# Altium PCB HK0J2071758B03.PcbDoc (part 2 of 5)
Units mm, origin at the board's own origin, x right, y up, seen from the top; angles counter-clockwise.
Board outline 42.1 x 32.68 mm, 2 copper layers (TOP, BOTTOM), stack 0.321 mm thick; 44 components, 54 nets, 194 pads, 149 vias.
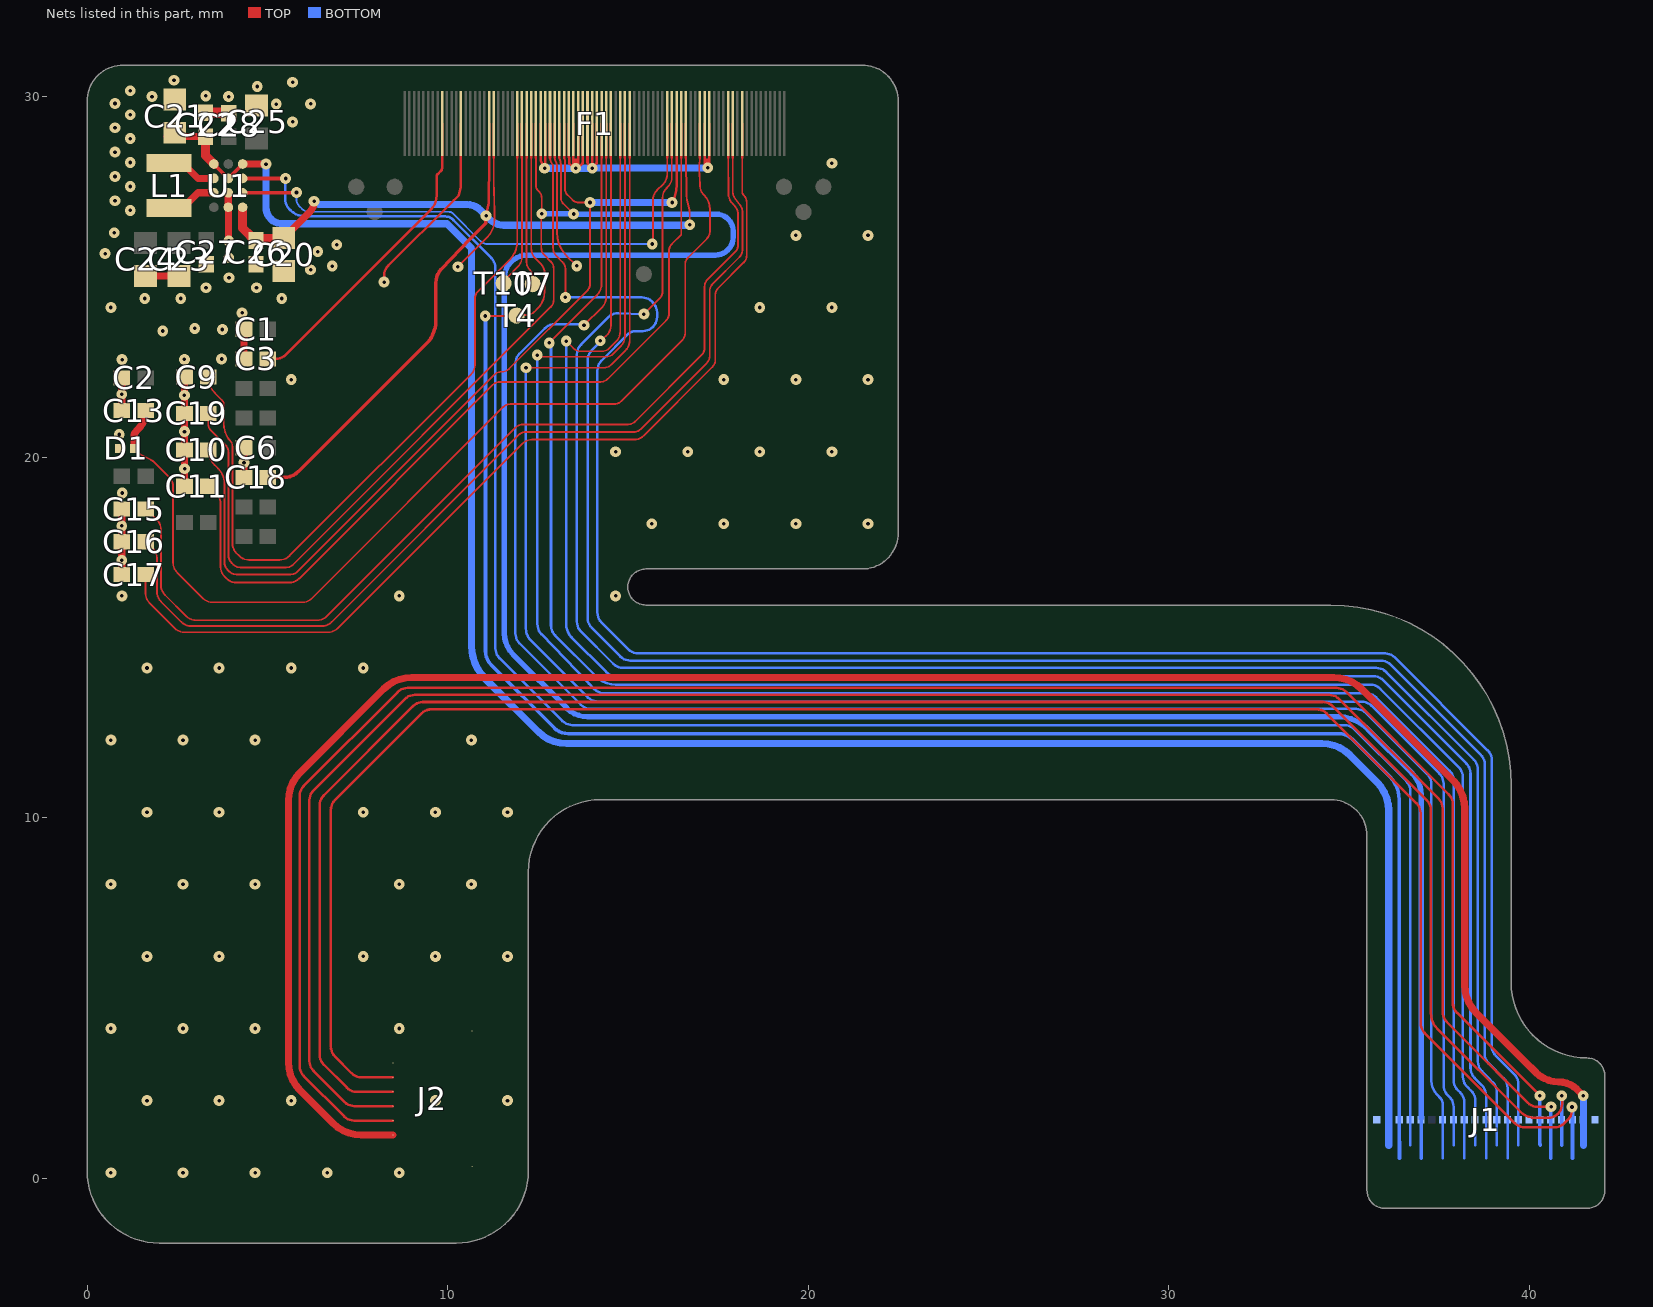
[diagram p2: the nets of this part, all layers, seen from the top]

## Via types
v1: diameter 0.3, hole 0.1, TOP to BOTTOM, tented both sides, 149 vias

## Nets (pads, with @x,y where several pads share a name; then routed paths per layer and width w, separated by ;. In a path a pad name is that pad's centre, name@x,y a point inside that pad or via, vN(x,y) a via of type N, cw(c..) or ccw(c..) an arc to the next point about the centre after c; other vN are vias at no path point) (continued)
GND: C1.2 C2.2 C3.2 C6.2 C9.2 C10.2 C11.2 C13.2 C15.2 C16.2 C17.2 C18.2 C19.2 C20.1 C21.1 C22.2 C23.1 C24.1 C25.1 C26.2 C27.2 C28.2 D1.1 F1.13 F1.20 F1.30 F1.31 F1.33 F1.36 F1.37 F1.38 F1.39 F1.40 F1.41 F1.42 F1.65 F1.66 J1.1 J1.7 J1.21 J2.6 J2.7 J2.8 U1.C2 U1.D2 | length 42.3
  TOP w0.05: v1(10.287,25.284) 11.092,26.089 ccw(c10.586,26.595) 11.301,26.595 11.301,26.669 cw(c11.351,26.668) 11.302,26.673 ccw(c11.068,26.698) 11.301,26.725 11.281,27.752 11.281,28.301 ; 12.971,28.301 ccw(c13.031,28.301) 12.973,28.286 12.983,28.246 ccw(c13.051,28.263) 12.987,28.235 13.02,28.161 cw(c12.955,28.133) 13.024,28.146 13.034,28.095 cw(c12.925,28.075) 13.035,28.076 13.036,28.015 ; 13.036,28.014 cw(c12.691,28.013) 13.036,28.013 13.035,26.223 ccw(c13.929,26.223) 13.297,25.592 v1(13.585,25.304)
  TOP w0.07: C28.2@3.923,29.551 C28.2@3.931,29.543 ; v1(8.24,24.855) 8.24,25.043 cw(c8.625,25.042) 8.354,25.315 10.172,27.121 10.315,27.264 10.371,27.493 F1.13@10.371,29.251 ; 11.281,28.301 F1.20@11.281,29.251 ; F1.30@12.581,29.251 12.581,28.386 12.583,28.301 12.585,28.229 12.679,28.025 v1(12.691,28.013) 12.711,28.115 12.711,28.301 12.711,28.386 F1.31@12.711,29.251 ; 12.971,28.301 F1.33@12.971,29.251 ; F1.36@13.361,29.251 13.361,28.321 13.376,28.307 13.376,28.301 13.376,28.141 13.504,28.013 v1(13.555,28.013) 13.621,28.079 F1.38@13.621,29.251 ; 13.491,28.177 F1.37@13.491,29.251 ; v1@13.627,28.033 13.731,28.137 ccw(c13.681,28.186) 13.751,28.186 F1.39@13.751,29.251 ; F1.40@13.881,29.251 13.881,28.18 ccw(c13.951,28.18) 13.902,28.131 13.995,28.037 cw(c13.946,27.987) 14.009,28.018 v1(14.012,28.013) ; F1.41@14.011,29.251 14.011,28.082 ccw(c14.081,28.083) 14.011,28.081 14.012,28.069 cw(c13.942,28.067) 14.012,28.067 v1(14.012,28.013) cw(c14.08,27.998) 14.03,28.047 14.121,28.138 ccw(c14.071,28.187) 14.141,28.187 F1.42@14.141,29.251 ; 17.131,28.177 F1.65@17.131,29.251 ; 17.261,28.177 F1.66@17.261,29.251
  TOP w0.2: C17.2@0.963,16.742 v1(0.963,17.142) 0.963,17.541 0.963,17.625 C16.2@0.963,17.651 v1(0.963,18.093) C15.2@0.963,18.561 ; C13.2@0.963,21.289 v1(0.963,21.744) C2.2@0.963,22.199 ; C24.1@1.621,25.024 C23.1@2.548,25.024 ; C11.2@2.703,19.192 C10.2@2.703,20.202 v1(2.703,20.707) C19.2@2.703,21.212 C9.2@2.703,22.222 ; U1.C2@3.917,27.331 U1.C2@3.917,27.331 U1.D2@3.917,26.931 3.923,26.926 3.923,26.002 v1(3.928,25.996) ; v1(3.937,24.978) v1@3.941,24.982 ; C18.2@4.352,19.438 v1(4.352,19.848) C6.2@4.352,20.259 ; C3.2@4.352,22.725 C1.2@4.352,23.547 ; v1(13.555,28.013) 13.555,28.177 13.558,28.181 ; v1@17.198,28.045 17.198,28.177
  TOP w0.3: C22.2@3.289,29.551 C28.2@3.923,29.551
  BOTTOM w0.2: v1(12.691,28.013) v1(13.555,28.013) v1(14.012,28.013) v1(17.216,28.027)
  other v1: 0.661,0.152 2.661,0.152 4.661,0.152 6.661,0.152 8.661,0.152 1.661,2.152 3.661,2.152 5.661,2.152 9.661,2.152 11.661,2.152 0.661,4.152 2.661,4.152 4.661,4.152 8.661,4.152 1.661,6.152 3.661,6.152 7.661,6.152 9.661,6.152 11.661,6.152 0.661,8.152 2.661,8.152 4.661,8.152 8.661,8.152 10.661,8.152 1.661,10.152 3.661,10.152 7.661,10.152 9.661,10.152 11.661,10.152 0.661,12.152 2.661,12.152 4.661,12.152 10.661,12.152 1.661,14.152 3.661,14.152 5.661,14.152 7.661,14.152 0.966,16.152 8.661,16.152 14.661,16.152 15.661,18.152 17.661,18.152 19.661,18.152 21.661,18.152 0.974,19.006 2.706,19.68 14.661,20.152 16.661,20.152 18.661,20.152 20.661,20.152 0.895,20.628 2.699,21.717 5.661,22.152 17.661,22.152 19.661,22.152 21.661,22.152 0.972,22.706 2.7,22.713 3.731,22.721 2.1,23.5 3.752,23.541 2.986,23.572 4.3,24 0.661,24.152 18.661,24.152 20.661,24.152 1.6,24.4 2.6,24.4 5.4,24.4 3.3,24.7 4.7,24.7 6.2,25.2 6.8,25.3 3.932,25.532 0.5,25.646 6.4,25.7 6.925,25.891 19.661,26.152 21.661,26.152 0.752,26.224 1.2,26.845 0.775,27.11 1.2,27.508 0.775,27.785 20.661,28.152 1.2,28.172 0.775,28.46 1.2,28.836 0.775,29.135 5.7,29.3 1.2,29.5 0.775,29.81 5.25,29.794 6.2,29.8 1.8,30 3.926,30 3.294,30.021 1.2,30.164 4.721,30.28 5.7,30.4 2.41,30.454
NetL1_1: L1.1 U1.B1 | length 1.4
  TOP w0.2: L1.1@2.274,28.156 2.649,28.156 3.074,27.731 U1.B1@3.517,27.731
NetL1_2: L1.2 U1.C1 | length 1.4
  TOP w0.2: L1.2@2.274,26.906 2.649,26.906 3.075,27.331 U1.C1@3.517,27.331
QSPI_CSX: F1.45 J1.9 | length 51.8
  TOP w0.05: v1(14.237,23.229) 14.394,23.361 ccw(c14.146,23.655) 14.531,23.655 14.531,28.301
  TOP w0.07: 14.531,28.301 F1.45@14.531,29.251
  BOTTOM w0.07: v1(14.237,23.229) 14.237,23.202 14.002,22.966 ccw(c14.274,22.694) 13.889,22.694 13.889,15.534 ccw(c14.274,15.534) 14.002,15.262 14.794,14.47 ccw(c15.066,14.742) 15.066,14.357 35.887,14.357 cw(c35.887,13.972) 36.159,14.245 38.658,11.746 cw(c38.386,11.473) 38.771,11.473 38.771,3.452 ccw(c39.156,3.452) 38.883,3.18 39.294,2.77 cw(c39.022,2.497) 39.407,2.497 39.407,0.557
QSPI_SCL: F1.44 J1.15 | length 53.5
  TOP w0.05: v1(13.783,23.656) 14.289,24.162 ccw(c14.016,24.433) 14.401,24.433 14.401,28.301
  TOP w0.07: 14.401,28.301 14.401,28.386 F1.44@14.401,29.251
  BOTTOM w0.07: v1(13.783,23.656) ccw(c13.631,23.302) 13.631,23.687 12.973,23.687 ccw(c12.973,23.302) 12.701,23.575 11.994,22.867 ccw(c12.266,22.595) 11.881,22.595 11.881,15.108 ccw(c12.266,15.108) 11.993,14.837 13.699,13.131 ccw(c13.972,13.402) 13.972,13.017 35.205,13.017 cw(c35.205,12.632) 35.477,12.904 37.18,11.201 cw(c36.908,10.929) 37.293,10.929 37.293,2.956 37.293,2.695 ccw(c37.828,2.695) 37.45,2.316 37.516,2.25 cw(c37.296,2.031) 37.607,2.031 37.607,0.557
QSPI_SDI0: F1.47 J1.11 | length 53.3
  TOP w0.05: v1(13.291,23.218) 13.493,23.016 ccw(c13.687,23.211) 13.687,22.936 14.288,22.936 ccw(c14.288,23.211) 14.481,23.016 14.679,23.214 ccw(c14.406,23.485) 14.791,23.485 14.791,28.301
  TOP w0.07: 14.791,28.301 F1.47@14.791,29.251
  BOTTOM w0.07: v1(13.291,23.218) 13.291,15.66 13.291,15.363 ccw(c13.807,15.365) 13.441,15 14.403,14.038 ccw(c14.675,14.311) 14.675,13.926 35.678,13.926 cw(c35.678,13.541) 35.95,13.813 38.263,11.5 cw(c37.991,11.228) 38.376,11.228 38.376,3.05 ccw(c38.761,3.05) 38.489,2.778 38.691,2.575 cw(c38.422,2.3) 38.807,2.3 38.807,0.557
QSPI_SDI1: F1.43 J1.12 | length 52
  TOP w0.05: v1(12.822,23.168) 14.141,24.488 ccw(c13.828,24.801) 14.271,24.801 14.271,28.301
  TOP w0.07: 14.271,28.301 F1.43@14.271,29.251
  BOTTOM w0.07: v1(12.822,23.168) 12.869,23.12 12.869,15.328 ccw(c13.254,15.328) 12.981,15.056 14.124,13.913 ccw(c14.661,14.442) 14.662,13.689 35.597,13.689 cw(c35.597,13.304) 35.869,13.576 38.054,11.391 cw(c37.782,11.118) 38.167,11.118 38.167,2.808 ccw(c38.552,2.808) 38.28,2.536 38.392,2.424 cw(c38.122,2.15) 38.507,2.15 38.507,0.907
QSPI_SDI2: F1.48 J1.13 | length 54
  TOP w0.05: v1(12.485,22.832) ccw(c12.641,23.058) 12.641,22.783 14.399,22.783 ccw(c14.399,23.058) 14.593,22.863 14.809,23.079 ; 14.809,23.079 ccw(c14.536,23.351) 14.921,23.351 14.921,28.301
  TOP w0.07: 14.921,28.301 F1.48@14.921,29.251
  BOTTOM w0.07: v1(12.485,22.832) 12.483,22.83 12.483,15.436 ccw(c12.868,15.436) 12.487,15.384 12.498,15.304 ccw(c12.879,15.356) 12.601,15.09 13.919,13.721 ccw(c14.197,13.987) 13.924,13.716 14.081,13.559 ccw(c14.352,13.832) 14.352,13.447 35.487,13.447 cw(c35.487,13.062) 35.759,13.334 37.799,11.294 cw(c37.528,11.021) 37.913,11.021 37.913,2.71 ccw(c38.298,2.71) 38.025,2.437 38.093,2.37 cw(c37.822,2.097) 38.207,2.097 38.207,0.557
QSPI_SDI3: F1.49 J1.14 | length 54
  TOP w0.05: v1(12.174,22.48) 14.344,22.48 ccw(c14.344,22.755) 14.539,22.561 14.932,22.954 ccw(c14.642,23.243) 15.051,23.243 15.051,28.301
  TOP w0.07: 15.051,28.301 15.051,28.618 F1.49@15.051,29.251
  BOTTOM w0.07: v1(12.174,22.48) v1(12.174,22.48) 12.173,15.239 ccw(c12.558,15.239) 12.202,15.092 12.22,15.049 ccw(c12.575,15.197) 12.302,14.925 13.896,13.332 ccw(c14.168,13.604) 14.168,13.219 35.354,13.219 cw(c35.354,12.834) 35.627,13.107 37.515,11.218 cw(c37.243,10.946) 37.628,10.946 37.628,2.576 ccw(c38.013,2.576) 37.741,2.303 37.793,2.252 cw(c37.522,1.978) 37.907,1.978 37.907,0.907
RESET: F1.32 J1.8 | length 54.6
  TOP w0.05: 12.841,28.301 ccw(c12.971,28.302) 12.844,28.275 12.854,28.227 ccw(c12.991,28.257) 12.868,28.191 12.874,28.179 ccw(c12.971,28.23) 12.877,28.174 12.907,28.123 cw(c12.795,28.057) 12.916,28.105 12.918,28.099 cw(c12.798,28.051) 12.925,28.076 12.925,28.026 cw(c12.691,28.013) 12.925,28 12.925,25.803 ccw(c13.237,25.803) 13.017,25.583 13.188,25.412 cw(c12.993,25.218) 13.268,25.218 v1(13.268,24.432)
  TOP w0.07: 12.841,28.301 12.841,28.386 F1.32@12.841,29.251
  BOTTOM w0.07: v1(13.268,24.432) 15.393,24.432 cw(c15.393,24.047) 15.665,24.32 15.697,24.287 cw(c15.425,24.015) 15.81,24.015 15.81,23.886 cw(c15.425,23.886) 15.697,23.613 15.692,23.608 cw(c15.42,23.88) 15.42,23.495 15.19,23.495 ccw(c15.19,23.256) 15.021,23.425 14.268,22.673 ccw(c14.541,22.401) 14.156,22.401 14.156,15.688 ccw(c14.541,15.688) 14.267,15.417 15.016,14.668 ccw(c15.288,14.941) 15.288,14.556 36.005,14.556 cw(c36.005,14.171) 36.277,14.443 38.853,11.867 cw(c38.581,11.594) 38.966,11.594 38.966,3.665 ccw(c39.351,3.665) 39.079,3.393 39.594,2.879 cw(c39.322,2.606) 39.707,2.606 39.707,0.907
SWIRE: F1.57 U1.C3 | length 15.6
  TOP w0.05: v1(15.678,25.912) 15.695,25.929 15.695,27.128 cw(c16.08,27.128) 15.808,27.399 15.979,27.571 ccw(c15.706,27.842) 16.091,27.842 16.091,28.301
  TOP w0.07: 16.091,28.301 F1.57@16.091,29.251
  TOP w0.1: U1.C3@4.317,27.331 5.799,27.331 v1(5.809,27.342)
  BOTTOM w0.05: v1(5.809,27.342) ccw(c6.081,27.297) 5.806,27.299 5.806,27.158 ccw(c6.081,27.158) 5.886,26.964 5.886,26.962 5.964,26.883 ccw(c6.155,27.074) 6.155,26.804 6.234,26.804 9.988,26.804 cw(c9.988,26.529) 9.993,26.804 10.056,26.803 cw(c10.054,26.683) 10.138,26.768 10.914,25.992 ccw(c11.108,26.187) 11.108,25.912 v1(15.678,25.912)
TE: F1.58 J1.10 | length 52.8
  TOP w0.05: v1(15.447,23.967) 15.888,24.408 ccw(c15.705,24.59) 15.963,24.59 15.963,27.19 cw(c16.348,27.192) 16.075,27.463 16.109,27.497 ccw(c15.836,27.769) 16.221,27.769 16.221,28.301
  TOP w0.07: 16.221,28.301 F1.58@16.221,29.251
  BOTTOM w0.07: v1(15.447,23.967) 14.739,23.99 ccw(c14.727,23.605) 14.455,23.878 13.702,23.124 ccw(c13.974,22.852) 13.589,22.852 13.589,15.435 ccw(c13.974,15.435) 13.702,15.162 14.597,14.268 ccw(c14.869,14.54) 14.869,14.155 35.761,14.155 cw(c35.761,13.77) 36.033,14.042 38.469,11.606 cw(c38.197,11.334) 38.582,11.334 38.582,3.231 ccw(c38.967,3.231) 38.695,2.958 38.882,2.772 38.994,2.66 cw(c38.722,2.387) 39.107,2.387 39.107,0.907
TP_INT: J1.3 J2.5 | length 54.4
  TOP w0.07: J2.5@8.481,2.797 7.612,2.797 cw(c7.612,3.182) 7.34,2.909 6.875,3.374 cw(c7.147,3.646) 6.762,3.646 6.762,10.212 cw(c7.147,10.212) 6.875,10.484 9.282,12.892 cw(c9.554,12.619) 9.554,13.004 34.111,13.004 cw(c34.111,12.619) 34.383,12.892 36.878,10.397 cw(c36.606,10.125) 36.991,10.125 36.991,4.302 ccw(c37.376,4.302) 37.103,4.03 39.615,1.518 ccw(c39.887,1.791) 39.887,1.406 40.701,1.406 ccw(c40.701,1.791) 40.973,1.519 41.079,1.624 ccw(c40.807,1.897) 41.192,1.897 v1(41.192,1.972)
  BOTTOM w0.1: v1(41.192,1.972) cw(c40.657,1.845) 41.207,1.845 41.207,0.557
TP_RESET: J1.6 J2.2 | length 55.9
  TOP w0.07: J2.2@8.481,1.597 7.408,1.597 cw(c7.408,1.982) 7.136,1.709 6.008,2.837 6.007,2.838 cw(c6.28,3.109) 5.895,3.109 5.895,10.602 cw(c6.28,10.602) 6.008,10.874 8.619,13.485 cw(c8.891,13.213) 8.891,13.598 34.659,13.598 cw(c34.659,13.213) 34.932,13.485 37.773,10.644 cw(c37.501,10.372) 37.886,10.372 37.886,4.861 ccw(c38.271,4.861) 37.998,4.589 v1(40.301,2.286)
  BOTTOM w0.1: v1(40.301,2.286) cw(c39.752,2.261) 40.302,2.261 40.302,0.977 ccw(c40.852,0.979) 40.306,0.908 40.307,0.907
TP_SCL: J1.5 J2.3 | length 55.4
  TOP w0.07: J2.3@8.481,1.997 7.417,1.997 cw(c7.417,2.382) 7.145,2.109 6.281,2.973 cw(c6.554,3.245) 6.169,3.245 6.169,10.483 cw(c6.554,10.483) 6.282,10.755 8.817,13.29 cw(c9.089,13.018) 9.089,13.403 34.457,13.403 cw(c34.457,13.018) 34.73,13.289 37.49,10.529 cw(c37.218,10.257) 37.603,10.257 37.603,4.61 ccw(c37.988,4.61) 37.715,4.338 39.96,2.093 ccw(c40.231,2.367) 40.231,1.982 v1(40.612,1.982)
  BOTTOM w0.1: 40.607,0.557 40.607,1.906 cw(c41.157,1.906) v1(40.612,1.982)
TP_SDA: J1.4 J2.4 | length 55.2
  TOP w0.07: J2.4@8.481,2.397 7.478,2.397 cw(c7.478,2.782) 7.205,2.509 6.565,3.15 6.564,3.151 cw(c6.837,3.422) 6.452,3.422 6.452,10.343 cw(c6.837,10.343) 6.565,10.615 9.045,13.095 cw(c9.317,12.823) 9.317,13.208 34.278,13.208 cw(c34.278,12.823) 34.55,13.095 37.161,10.484 cw(c36.889,10.212) 37.274,10.212 37.274,4.583 ccw(c37.896,4.583) 37.455,4.143 ccw(c37.896,4.583) 37.456,4.142 37.474,4.125 39.755,1.844 ccw(c40.163,2.252) 40.163,1.674 ; 40.164,1.674 40.531,1.674 ccw(c40.531,2.059) 40.803,1.787 ccw(c40.531,2.059) 40.916,2.059 40.916,2.278 v1(40.908,2.286)
  BOTTOM w0.1: 40.907,0.907 40.907,2.285 v1(40.908,2.286)
TP_VDD: J1.2 J2.1 | length 58
  TOP w0.2: J2.1@8.481,1.197 7.602,1.197 cw(c7.602,2.297) 6.823,1.521 5.906,2.437 cw(c6.684,3.215) 5.584,3.214 5.584,10.473 cw(c6.684,10.47) 5.905,11.247 8.226,13.567 cw(c9.002,12.788) 9.002,13.888 34.58,13.888 cw(c34.58,12.788) 35.357,13.567 37.892,11.032 cw(c37.115,10.254) 38.215,10.254 38.215,5.361 ccw(c39.315,5.361) 38.536,4.584 39.884,3.236 40.184,2.936 ccw(c40.825,3.572) 40.825,2.668 cw(c40.826,1.959) 41.327,2.461 v1(41.506,2.283)
  BOTTOM w0.2: v1(41.506,2.283) 41.507,2.282 41.507,0.907
VBAT: C21.2 C22.1 J1.20 U1.A1 U1.A3 U1.B2 | length 59.2
  TOP w0.1: U1.A1@3.517,28.132 U1.B2@3.917,27.731 U1.A3@4.317,28.132
  TOP w0.2: C21.2@2.217,28.895 C21.2@2.432,28.899 ; C21.2@2.432,28.999 2.539,28.891 C22.1@3.289,28.891 ; U1.A1@3.517,28.132 U1.A1@3.517,28.133 ; U1.A3@4.317,28.132 4.318,28.13 4.962,28.13 v1(4.963,28.129)
  TOP w0.25: C22.1@3.289,28.891 3.289,28.361 U1.A1@3.517,28.133
  BOTTOM w0.2: v1(4.963,28.129) 4.963,26.93 ccw(c5.421,26.93) 5.421,26.472 9.986,26.472 10.668,25.791 10.668,14.764 ccw(c11.954,14.764) 11.043,13.856 12.52,12.379 ccw(c13.297,13.158) 13.297,12.058 34.252,12.058 cw(c34.252,10.958) 35.028,11.736 35.783,10.982 cw(c35.007,10.203) 36.107,10.203 36.107,0.907
VCI: C18.1 C20.2 C26.1 F1.19 F1.61 U1.D3 | length 29.4
  TOP w0.05: 16.611,28.301 16.631,27.237 ccw(c17.126,27.246) 16.643,27.138 16.708,26.852 cw(c16.332,26.767) 16.717,26.767 v1(16.717,26.449)
  TOP w0.07: v1(11.068,26.698) 11.134,26.988 ccw(c10.351,27.093) 11.135,26.994 11.141,27.044 11.151,28.247 11.151,28.301 11.151,28.386 F1.19@11.151,29.251 ; 16.611,28.301 F1.61@16.611,29.251
  TOP w0.1: C18.1@5.012,19.438 5.472,19.438 ccw(c5.472,19.988) 5.86,19.598 9.451,23.189 ccw(c9.063,23.578) 9.571,23.369 9.635,23.523 ccw(c9.126,23.733) 9.676,23.733 9.676,24.841 cw(c10.226,24.839) 9.823,25.213 10.631,26.062 11.056,26.486 11.056,26.686 v1(11.068,26.698)
  TOP w0.2: C20.2@5.453,26.081 5.463,26.081 5.668,26.286 5.668,26.296 6.176,26.803 ccw(c5.882,27.097) 6.279,26.973 ccw(c5.882,27.097) v1(6.298,27.097)
  TOP w0.25: U1.D3@4.317,26.931 4.317,26.351 4.534,26.134 4.534,26.124 4.714,25.944 C26.1@4.724,25.944
  TOP w0.3: C26.1@4.682,26.009 4.718,26.045 5.418,26.045 C20.2@5.453,26.081
  BOTTOM w0.2: v1(6.298,27.097) 6.325,27.097 6.417,27.005 10.544,27.005 cw(c10.544,26.481) 10.914,26.852 v1(11.068,26.698) 11.176,26.589 ; 11.177,26.589 ccw(c11.549,26.962) 11.549,26.435 16.704,26.435 v1(16.717,26.449)
VCI_EN: J1.18 U1.B3 | length 56
  TOP w0.1: U1.B3@4.317,27.731 ccw(c4.346,28.281) 4.346,27.731 5.479,27.731 cw(c5.477,27.181) v1(5.506,27.73)
  BOTTOM w0.07: v1(5.506,27.73) ccw(c5.878,27.629) 5.493,27.63 5.493,27.163 ccw(c5.878,27.163) 5.604,26.892 5.604,26.886 5.647,26.843 ccw(c6.034,27.23) 6.034,26.683 9.894,26.683 cw(c9.894,26.298) 9.98,26.674 10.03,26.662 cw(c9.986,26.472) 10.119,26.615 10.156,26.58 cw(c9.894,26.298) 10.166,26.571 11.216,25.521 cw(c10.944,25.249) 11.329,25.249 11.329,14.696 ccw(c11.714,14.698) 11.44,14.427 ; 11.441,14.426 13.188,12.679 ccw(c13.46,12.952) 13.461,12.567 34.877,12.567 cw(c34.877,12.182) 35.15,12.454 36.593,11.011 cw(c36.321,10.738) 36.706,10.736 36.707,0.907
VCL: C9.1 F1.25 | length 21.2
  TOP w0.05: C9.1@3.363,22.222 ccw(c3.998,22.222) 3.549,21.773 3.743,21.579 cw(c3.623,21.459) 3.793,21.459 3.793,20.934 ccw(c4.553,20.934) 4.015,20.397 cw(c3.647,20.284) 4.032,20.284 4.032,17.606 ccw(c4.417,17.606) 4.144,17.334 4.219,17.26 ccw(c4.49,17.533) 4.49,17.148 5.342,17.148 ccw(c5.342,17.533) 5.613,17.26 10.658,22.304 ccw(c10.414,22.549) 10.759,22.549 10.759,24.397 cw(c11.034,24.397) 10.84,24.592 11.724,25.476 ; 11.725,25.476 ccw(c11.222,25.976) 11.93,25.976 11.931,28.301
  TOP w0.07: 11.931,28.301 11.931,28.386 F1.25@11.931,29.251
VDD: C10.1 F1.35 F1.59 | length 26.4
  TOP w0.05: C10.1@3.363,20.202 ccw(c3.957,20.202) 3.537,19.782 3.632,19.687 cw(c3.198,19.253) 3.812,19.254 cw(c3.198,19.253) 3.812,19.253 3.812,17.075 ccw(c4.087,17.075) 3.892,16.881 3.947,16.826 ccw(c4.141,17.021) 4.141,16.746 5.642,16.746 ccw(c5.642,17.021) 5.835,16.826 11.297,22.287 cw(c11.49,22.092) 11.49,22.367 11.51,22.367 ccw(c11.51,22.642) 11.704,22.447 13.871,24.614 ccw(c13.676,24.807) 13.951,24.807 v1(13.951,27.062) 13.638,27.062 cw(c13.638,27.303) 13.467,27.133 13.326,27.274 ; 13.231,28.301 13.231,28.281 13.241,28.271 cw(c13.206,28.236) 13.256,28.236 13.256,27.443 ccw(c13.494,27.443) 13.325,27.275
  TOP w0.07: 13.231,28.301 13.231,28.312 F1.35@13.231,29.251 ; v1(16.228,27.062) ccw(c15.255,27.567) 16.351,27.567 16.351,28.301 F1.59@16.351,29.251
  BOTTOM w0.2: v1(13.951,27.062) v1(16.228,27.062)
VDDI: C19.1 F1.29 F1.34 J1.17 | length 84.4
  TOP w0.05: C19.1@3.363,21.212 3.363,20.923 ccw(c3.638,20.923) 3.442,20.729 3.842,20.33 cw(c3.647,20.136) 3.922,20.136 3.922,17.269 ccw(c4.197,17.269) 4.002,17.076 4.056,17.022 ccw(c4.25,17.217) 4.25,16.942 5.524,16.942 ccw(c5.524,17.217) 5.718,17.022 12.865,24.169 ccw(c12.67,24.363) 12.945,24.362 12.945,25.23 ccw(c12.67,25.23) 12.865,25.424 12.681,25.609 cw(c12.875,25.803) 12.6,25.803 12.6,26.742 v1(12.611,26.753) 12.611,27.185 ccw(c12.338,27.185) 12.532,27.378 ; 12.451,28.301 12.451,27.515 ccw(c12.588,27.515) 12.491,27.418 12.531,27.378 ; 13.101,28.301 ccw(c13.161,28.301) 13.104,28.282 13.132,28.201 cw(c13.066,28.178) 13.135,28.185 13.144,28.099 cw(c12.925,28.075) 13.145,28.077 13.146,28.015 13.146,27.178 ccw(c13.347,27.178) 13.205,27.036 ; 13.205,27.035 v1(13.495,26.745)
  TOP w0.07: 12.451,28.301 F1.29@12.451,29.251 ; 13.101,28.301 13.101,28.312 F1.34@13.101,29.251
  BOTTOM w0.1: 37.007,0.557 J1.17@37.007,1.657
  BOTTOM w0.15: v1(12.611,26.753) 12.615,26.749 13.491,26.749 v1(13.495,26.745) ; v1@13.501,26.739 17.452,26.739 cw(c17.452,26.268) 17.924,26.268 17.924,26.101 cw(c17.425,26.101) 17.425,25.603 12.206,25.603 ccw(c12.206,24.972) 11.576,24.972 11.576,15.111 ccw(c12.401,15.111) 11.816,14.529 13.309,13.037 ccw(c13.892,13.62) 13.892,12.795 34.714,12.795 cw(c34.714,11.649) 35.524,12.46 36.765,11.218 cw(c36.182,10.635) 37.007,10.635 J1.17@37.007,1.657
VGH: C16.1 F1.71 | length 27.3
  TOP w0.05: C16.1@1.623,17.651 1.828,17.466 1.849,17.441 cw(c1.554,17.194) 1.939,17.194 1.939,16.264 ccw(c2.324,16.264) 2.051,15.993 2.62,15.424 ccw(c2.891,15.697) 2.891,15.312 6.509,15.312 ccw(c6.509,15.697) 6.78,15.424 ; 6.78,15.424 11.974,20.617 cw(c12.167,20.422) 12.167,20.697 15.118,20.697 15.163,20.697 ccw(c15.164,20.972) 15.358,20.777 17.191,22.61 ccw(c16.996,22.804) 17.271,22.804 17.271,24.611 cw(c17.546,24.611) 17.351,24.804 18.099,25.553 ccw(c17.904,25.747) 18.179,25.747 18.179,26.768 18.179,26.813 ccw(c17.904,26.813) 18.124,26.978 17.966,27.19 cw(c18.186,27.354) 17.911,27.354 17.911,28.301
  TOP w0.07: 17.911,28.301 F1.71@17.911,29.251
VGL: C17.1 F1.73 | length 26.9
  TOP w0.05: C17.1@1.623,16.742 1.623,16.221 ccw(c2.008,16.221) 1.735,15.95 2.432,15.253 ccw(c2.704,15.525) 2.704,15.14 6.68,15.14 ccw(c6.68,15.525) 6.951,15.252 12.073,20.374 cw(c12.344,20.101) 12.344,20.486 15.174,20.486 ccw(c15.174,20.871) 15.446,20.599 17.347,22.5 ccw(c17.153,22.695) 17.428,22.695 17.428,24.498 cw(c17.703,24.498) 17.508,24.692 18.219,25.403 ccw(c18.024,25.597) 18.299,25.597 18.299,27.067 ccw(c18.024,27.066) 18.224,27.255 18.22,27.259 cw(c18.42,27.448) 18.211,27.269 ; 18.174,28.301 18.174,27.373 ccw(c18.338,27.373) 18.211,27.269
  TOP w0.07: F1.73@18.171,29.251 18.171,28.351 ccw(c18.266,28.351) 18.171,28.346 18.174,28.301
VGS: F1.26 T10.1 | length 4.6
  TOP w0.05: T10.1@11.555,24.824 cw(c11.923,24.709) 11.65,24.98 11.949,25.28 ccw(c11.676,25.551) 12.061,25.551 12.061,28.301
  TOP w0.07: 12.061,28.301 12.061,28.386 F1.26@12.061,29.251
VINT: C3.1 F1.9 | length 8.7
  TOP w0.07: C3.1@5.012,22.725 5.233,22.725 ccw(c5.233,23.11) 5.505,22.838 9.539,26.872 ccw(c9.154,27.256) 9.698,27.256 9.698,27.792 cw(c9.768,27.792) 9.718,27.841 9.81,27.933 ccw(c9.71,28.033) 9.83,27.959 ccw(c9.71,28.033) 9.833,27.964 ccw(c9.71,28.033) 9.851,28.033 9.851,28.312 F1.9@9.851,29.251
VLOUT2: C15.1 F1.70 | length 27.6
  TOP w0.05: C15.1@1.633,18.571 1.828,18.376 1.939,18.262 cw(c1.664,17.993) 2.049,17.994 2.049,16.448 ccw(c2.434,16.448) 2.161,16.177 2.752,15.586 ccw(c3.024,15.858) 3.024,15.473 6.379,15.473 ccw(c6.379,15.858) 6.65,15.585 ; 6.651,15.586 11.894,20.829 cw(c12.088,20.633) 12.087,20.908 14.962,20.908 15.007,20.908 ccw(c15.008,21.183) 15.202,20.988 17.048,22.835 ccw(c16.853,23.029) 17.128,23.029 17.128,24.729 cw(c17.403,24.729) 17.208,24.923 17.979,25.694 ccw(c17.784,25.888) 18.059,25.888 18.059,26.718 ccw(c17.674,26.718) 17.946,26.99 17.905,27.031 cw(c18.176,27.304) 17.792,27.302 17.786,28.234 ccw(c17.401,28.231) 17.785,28.268 17.781,28.301
  TOP w0.07: 17.781,28.301 17.781,28.386 F1.70@17.781,29.251
VLOUT3: C13.1 D1.2 F1.64 | length 28.8
  TOP w0.05: D1.2@1.298,20.24 1.383,20.135 1.462,20.089 ccw(c1.6,20.327) 1.472,20.084 1.773,19.924 cw(c1.593,19.584) 1.866,19.856 2.275,19.447 cw(c2.002,19.175) 2.387,19.175 2.387,17.069 ccw(c2.772,17.069) 2.499,16.798 3.213,16.084 ccw(c3.484,16.357) 3.484,15.972 5.968,15.972 ccw(c5.968,16.357) 6.24,16.084 11.549,21.393 cw(c11.742,21.198) 11.742,21.473 14.579,21.473 14.623,21.473 ccw(c14.624,21.748) 14.818,21.553 16.511,23.246 ccw(c16.316,23.439) 16.591,23.439 16.591,25.344 cw(c16.866,25.344) 16.671,25.538 17.196,26.064 ccw(c17.001,26.258) 17.276,26.258 17.276,26.882 ccw(c16.737,26.882) 17.118,27.264 17.115,27.267 cw(c17.386,27.54) 17.002,27.525 16.982,28.018 cw(c17.216,28.027) 16.981,28.028 16.981,28.056 cw(c17.191,28.064) 16.982,28.082 17.001,28.301
  TOP w0.07: 17.001,28.301 F1.64@17.001,29.251
  TOP w0.2: D1.2@1.298,20.24 1.298,20.555 cw(c1.547,20.555) 1.371,20.731 ; 1.371,20.731 1.406,20.766 ccw(c0.883,21.289) C13.1@1.623,21.289
VOTP: F1.28 J1.19 T4.1 | length 53.4
  TOP w0.05: v1(11.046,23.914) 11.766,23.914 T4.1@11.913,24.06 ; T4.1@11.913,23.925 cw(c12.021,23.672) 12.021,23.947 12.207,23.947 ccw(c12.207,24.222) 12.401,24.027 12.503,24.128 ccw(c12.045,24.585) 12.619,24.287 ccw(c12.045,24.585) 12.692,24.585 12.692,25.098 ccw(c12.307,25.098) 12.579,25.37 12.435,25.514 cw(c12.706,25.787) 12.321,25.787 12.321,28.301
  TOP w0.07: 12.321,28.301 F1.28@12.321,29.251
  BOTTOM w0.1: v1(11.046,23.914) 11.052,23.908 11.052,14.623 ccw(c11.602,14.623) 11.212,14.235 12.955,12.491 ccw(c13.344,12.881) 13.344,12.331 34.717,12.331 cw(c34.717,11.781) 35.106,12.17 36.13,11.145 cw(c35.473,10.493) 36.399,10.492 36.399,1.527 36.407,0.557
VREF: C11.1 F1.60 | length 23.5
  TOP w0.05: C11.1@3.363,19.192 3.568,19.007 3.589,18.986 cw(c3.317,18.713) 3.702,18.713 3.702,16.958 ccw(c4.087,16.958) 3.814,16.687 3.87,16.631 ccw(c4.141,16.904) 4.141,16.519 5.608,16.519 ccw(c5.608,16.904) 5.88,16.631 ; 5.88,16.631 11.256,22.007 cw(c11.449,21.812) 11.448,22.087 13.646,22.087 14.199,22.087 14.243,22.087 ccw(c14.245,22.362) 14.438,22.167 16.062,23.791 ccw(c15.867,23.985) 16.142,23.985 16.142,25.718 cw(c16.417,25.718) 16.222,25.911 16.481,26.17 16.481,28.301
  TOP w0.07: 16.481,28.301 F1.60@16.481,29.251
VREGOUT: F1.27 T7.1 | length 4.5
  TOP w0.05: 12.191,28.301 12.192,25.674 12.192,25.413 ccw(c12.495,25.413) 12.281,25.198 cw(c12.085,25.002) 12.362,25.002 T7.1@12.362,24.798
  TOP w0.07: 12.191,28.301 12.191,28.351 12.191,28.386 F1.27@12.191,29.251
pads on no net: F1.6 F1.11 F1.46 F1.50 F1.51 F1.52 F1.53 F1.54 F1.55 F1.72 F1.74 F1.77 J1.16

## Polygon pours and split planes (outlines as drawn)
GND on TOP "BOTTOM-No Net 1" (solid, pour order 21): 0.102,0.197 0.102,29.876 cw(c1,29.876) 1,30.774 21.5,30.774 cw(c21.5,29.876) 22.398,29.876 22.398,17.897 cw(c21.5,17.897) 21.5,16.999 15.5,16.999 ccw(c15.5,16.397) 15.731,15.841 15.731,11.702 14.619,10.591 ccw(c14.34,8.754) 14.062,10.591 ccw(c14.24,8.497) 12.138,8.497 12.138,0.197 cw(c10.24,0.197) 10.24,-1.701 2,-1.701 cw(c2,0.197)
GND on TOP "BOTTOM-No Net" (hatched 45Degree grid 0.508 track 0.203, pour order 22): 14.627,10.599 15.642,11.614 15.643,11.614 ccw(c15.5,11.757) 15.702,11.757 15.702,15.795 34.504,15.795 cw(c34.504,10.897) 39.403,10.897 39.403,5.434 ccw(c41.604,5.434) 41.604,3.232 cw(c41.604,2.834) 42.003,2.834 42.003,-0.341 cw(c41.604,-0.341) 41.604,-0.74 36.004,-0.74 cw(c36.004,-0.341) 35.606,-0.341 35.606,9.497 ccw(c34.504,9.497) 34.504,10.599
ELVDD on TOP "ELVDD_L01_P017" (solid, pour order 17): 1.306,26.251 3.122,26.251 3.583,26.251 3.583,25.639 1.306,25.639
ELVSS on TOP "ELVSS_L01_P014" (solid, pour order 14): 3.721,28.535 3.721,29.145 5.015,29.145 5.015,28.535 4.318,28.535
VBAT on TOP "VBAT_L01_P012" (solid, pour order 12): 3.51,28.661 3.51,29.121 2.098,29.121 2.098,28.694 3.079,28.694 3.079,28.661
VCI on TOP "VCI_L01_P010" (solid, pour order 10): 4.451,26.396 5.768,26.395 5.768,25.779 5.33,25.779 4.451,25.779
no net on Layer0 "Default Coverlay 4 Bottom" (split plane): 2,-1.803 10.437,-1.803 10.823,-1.726 11.187,-1.575 11.515,-1.357 11.794,-1.078 12.012,-0.75 12.163,-0.386 12.24,0 12.24,0.197 12.24,8.497 12.25,8.693 12.326,9.078 12.476,9.44 12.694,9.766 12.971,10.043 13.297,10.261 13.659,10.411 14.044,10.487 14.24,10.497 34.504,10.497 34.603,10.492 34.795,10.454 34.976,10.379 35.139,10.27 35.278,10.131 35.386,9.968 35.461,9.787 35.5,9.595 35.504,9.497 35.504,-0.341 35.504,-0.441 35.581,-0.624 35.721,-0.765 35.905,-0.841 36.004,-0.841 41.604,-0.841 41.704,-0.841 41.888,-0.765 42.028,-0.624 42.104,-0.441 42.104,-0.341 42.104,2.834 42.104,2.933 42.028,3.117 41.888,3.258 41.704,3.334 41.604,3.334 41.399,3.344 40.995,3.424 40.615,3.582 40.272,3.81 39.981,4.102 39.752,4.444 39.595,4.824 39.515,5.228 39.504,5.434 39.504,10.897 39.504,11.225 39.419,11.875 39.249,12.508 38.998,13.113 38.671,13.681 38.272,14.201 37.808,14.664 37.288,15.063 36.721,15.391 36.115,15.642 35.482,15.811 34.832,15.897 34.504,15.897 15.5,15.897 15.402,15.907 15.222,15.981 15.084,16.119 15.01,16.299 15.01,16.495 15.084,16.675 15.222,16.813 15.402,16.887 15.5,16.897 21.5,16.897 21.599,16.897 21.792,16.935 21.974,17.011 22.137,17.12 22.277,17.26 22.386,17.423 22.462,17.605 22.5,17.798 22.5,29.974 22.462,30.167 22.386,30.349 22.277,30.513 22.137,30.652 21.974,30.762 21.792,30.837 21.599,30.876 21.5,30.876 1,30.876 0.902,30.876 0.708,30.837 0.526,30.762 0.363,30.652 0.223,30.513 0.114,30.349 0.038,30.167 0,29.974 0,29.876 0,0.197 0,0 0.077,-0.386 0.228,-0.75 0.447,-1.078 0.725,-1.357 1.053,-1.575 1.417,-1.726 1.803,-1.803
GND on BOTTOM "BOTTOM-No Net 1" (solid, remove dead copper, pour order 19): 0.102,0.197 0.102,29.876 cw(c1,29.876) 1,30.774 21.5,30.774 cw(c21.5,29.876) 22.398,29.876 22.398,17.897 cw(c21.5,17.897) 21.5,16.999 15.5,16.999 ccw(c15.5,16.397) 15.785,15.867 15.785,11.757 14.619,10.591 ccw(c14.34,8.752) 14.062,10.591 ccw(c14.24,8.497) 12.138,8.497 12.138,0.197 cw(c10.24,0.197) 10.24,-1.701 2,-1.701 cw(c2,0.197)
GND on BOTTOM "BOTTOM-No Net" (hatched 45Degree grid 0.508 track 0.203, remove dead copper, pour order 20): 14.627,10.599 15.642,11.614 15.643,11.614 ccw(c15.5,11.757) 15.702,11.757 15.702,15.795 34.504,15.795 cw(c34.504,10.897) 39.403,10.897 39.403,5.434 ccw(c41.604,5.434) 41.604,3.232 cw(c41.604,2.834) 42.003,2.834 42.003,-0.341 cw(c41.604,-0.341) 41.604,-0.74 36.004,-0.74 cw(c36.004,-0.341) 35.606,-0.341 35.606,9.497 ccw(c34.504,9.497) 34.504,10.599
no net on Layer0 "Default Coverlay 4 Top" (split plane): 2,-1.803 10.437,-1.803 10.823,-1.726 11.187,-1.575 11.515,-1.357 11.794,-1.078 12.012,-0.75 12.163,-0.386 12.24,0 12.24,0.197 12.24,8.497 12.25,8.693 12.326,9.078 12.476,9.44 12.694,9.766 12.971,10.043 13.297,10.261 13.659,10.411 14.044,10.487 14.24,10.497 34.504,10.497 34.603,10.492 34.795,10.454 34.976,10.379 35.139,10.27 35.278,10.131 35.386,9.968 35.461,9.787 35.5,9.595 35.504,9.497 35.504,-0.341 35.504,-0.441 35.581,-0.624 35.721,-0.765 35.905,-0.841 36.004,-0.841 41.604,-0.841 41.704,-0.841 41.888,-0.765 42.028,-0.624 42.104,-0.441 42.104,-0.341 42.104,2.834 42.104,2.933 42.028,3.117 41.888,3.258 41.704,3.334 41.604,3.334 41.399,3.344 40.995,3.424 40.615,3.582 40.272,3.81 39.981,4.102 39.752,4.444 39.595,4.824 39.515,5.228 39.504,5.434 39.504,10.897 39.504,11.225 39.419,11.875 39.249,12.508 38.998,13.113 38.671,13.681 38.272,14.201 37.808,14.664 37.288,15.063 36.721,15.391 36.115,15.642 35.482,15.811 34.832,15.897 34.504,15.897 15.5,15.897 15.402,15.907 15.222,15.981 15.084,16.119 15.01,16.299 15.01,16.495 15.084,16.675 15.222,16.813 15.402,16.887 15.5,16.897 21.5,16.897 21.599,16.897 21.792,16.935 21.974,17.011 22.137,17.12 22.277,17.26 22.386,17.423 22.462,17.605 22.5,17.798 22.5,29.974 22.462,30.167 22.386,30.349 22.277,30.513 22.137,30.652 21.974,30.762 21.792,30.837 21.599,30.876 21.5,30.876 1,30.876 0.902,30.876 0.708,30.837 0.526,30.762 0.363,30.652 0.223,30.513 0.114,30.349 0.038,30.167 0,29.974 0,29.876 0,0.197 0,0 0.077,-0.386 0.228,-0.75 0.447,-1.078 0.725,-1.357 1.053,-1.575 1.417,-1.726 1.803,-1.803

## Keep-outs
Keep-Out Layer:
  circle w0.1: c6.12,-1.803 r0.003
  circle w0.1: c6.12,-1.803 r0.003
  lines w0.1: 36.004,-0.841 cw(c36.004,-0.341) 35.504,-0.341 35.504,2.159 35.504,9.497 ccw(c34.504,9.497) 34.504,10.497 14.24,10.497 ccw(c14.24,8.497) 12.24,8.497 12.24,0.197 cw(c10.24,0.197) 10.24,-1.803 2,-1.803 cw(c2,0.197) 0,0.197 0,29.876 cw(c1,29.876) 1,30.876 21.5,30.876 cw(c21.5,29.876) 22.5,29.876 22.5,17.897 cw(c21.5,17.897) 21.5,16.897 15.5,16.897 ccw(c15.5,16.397) 15.5,15.897 34.504,15.897 cw(c34.504,10.897) 39.504,10.897 39.504,5.434 ccw(c41.604,5.434) 41.604,3.334 cw(c41.604,2.834) 42.104,2.834 42.104,-0.341 cw(c41.604,-0.341) 41.604,-0.841 ; 36.004,-0.841 41.604,-0.841 ; 36.004,-0.841 41.604,-0.841

## Other copper
TOP:
  pour cut-out: 1.663,27.904 2.284,27.904 2.284,27.153 1.663,27.153
  pour cut-out: 6.6,30.873 22.5,30.873 22.5,28.299 6.6,28.299
  text "TOP" at 1,-11 h3.17
BOTTOM:
  pour cut-out: 8.025,29.604 8.625,29.604 8.625,29.004 8.025,29.004
  pour cut-out: 19.525,29.604 20.125,29.604 20.125,29.004 19.525,29.004
  pour cut-out: 35.657,1.429 41.947,1.429 41.947,-0.841 35.657,-0.841
  text "BOT" at 1,-14.5 h3.17

## Silkscreen, mask and mechanical layers (free items; w line width, h text height)
Top Overlay:
  lines w0.013: 35.505,2.649 42.105,2.649 ; 35.505,2.649 42.105,2.649 ; 35.505,2.649 42.105,2.649 ; 35.505,2.649 42.105,2.649 ; 35.505,2.649 42.105,2.649
  text "1" at 6.524,27.352 h0.8
  text "82" at 21.344,27.35 h0.8
  text "6" at 6.329,2.871 h1
  text "1" at 6.402,0.62 h1
  text "SILKTOP" at 6.955,-11.092 h3.17
Bottom Overlay:
  lines w0.013: 35.505,2.649 42.105,2.649
  text "21" at 36.1,1.904 h0.6
  text "1" at 41.906,1.904 h0.6
  text "SILKBOT" at 6.849,-14.592 h3.17
Top Paste:
  text "PASTETOP" at 19.147,-11.092 h3.17
Bottom Paste:
  text "PASTEBOT" at 19.041,-14.592 h3.17
Top Coverlay:
  region: 6.6,30.876 22.5,30.876 22.5,28.336 6.6,28.336
  text "MASKTOP" at 34.133,-11.092 h3.17
Bottom Coverlay:
  region: 36.004,-0.841 cw(c36.004,-0.341) 35.504,-0.341 35.504,1.709 42.104,1.709 42.104,-0.341 cw(c41.604,-0.341) 41.604,-0.841
  region: 6.296,-1.803 10.24,-1.803 10.24,-1.813 10.632,-1.774 11.009,-1.66 11.357,-1.474 11.661,-1.224 11.911,-0.92 12.097,-0.572 12.211,-0.195 12.25,0.197 12.24,6.076 6.296,6.076
  region: 0.5,15.376 10,15.376 10,26.276 0.5,26.276
  lines w0.013: 35.504,-0.341 ccw(c36.004,-0.341) 36.004,-0.841 41.604,-0.841 ccw(c41.604,-0.341) 42.104,-0.341 42.104,1.709 35.504,1.709 35.504,-0.341
  text "MASKBOT" at 34.027,-14.592 h3.17
Top Assembly:
  lines w0.025: -47.057,-15.667 -43.907,-15.667 ; -47.057,25.786 -43.907,25.786 ; -47.057,67.239 -43.907,67.239 ; -4.08,-60.244 -4.08,-57.094 ; -4.08,108.666 -4.08,111.841 ; 29.067,-60.244 29.067,-57.094 ; 29.067,108.666 29.067,111.841 ; 63.027,-60.244 63.027,-57.094 ; 63.027,108.666 63.027,111.841 ; 96.174,-60.244 96.174,-57.094 ; 96.174,108.666 96.174,111.841 ; 130.108,-60.244 130.108,-57.094 ; 130.108,108.463 130.108,111.638 ; 170.596,-15.667 173.771,-15.667 ; 170.596,25.786 173.771,25.786 ; 170.596,67.239 173.771,67.239 ; -43.78,-56.993 170.596,-56.993 170.596,108.666 -43.78,108.666 -43.78,-56.993
  lines w0.076: 103.819,-57.094 103.819,-37.358
  lines w0.152: 56.448,-55.113 76.184,-55.113 ; 56.448,-53.157 76.184,-53.157 ; 56.448,-51.176 76.184,-51.176 ; 56.448,-49.195 76.184,-49.195 ; 56.448,-47.239 76.184,-47.239 ; 56.448,-45.258 76.184,-45.258 ; 56.448,-43.277 76.184,-43.277 ; 56.448,-41.321 76.184,-41.321 ; 56.448,-39.34 76.184,-39.34 ; 56.448,-37.358 76.184,-37.358 ; 56.55,-37.358 56.55,-57.094 58.124,-57.094 ; 65.617,-55.113 65.617,-37.358 ; 76.184,-57.094 76.184,-37.358 ; 76.184,-40.127 103.819,-40.127 125.13,-40.127 ; 103.819,-54.326 118.043,-54.326 125.13,-54.326 ; 103.819,-51.582 118.043,-51.582 125.13,-51.582 ; 103.819,-48.407 118.043,-48.407 125.13,-48.407 ; 103.819,-45.664 118.043,-45.664 125.13,-45.664 ; 103.819,-42.896 125.13,-42.896 ; 121.65,104.729 170.596,104.729 ; 121.65,108.666 121.65,106.71 ; 124.825,102.748 124.825,106.71 ; 125.13,-57.094 125.13,-37.358 ; 125.206,-55.113 170.596,-55.113 ; 125.206,-51.582 170.596,-51.582 ; 125.206,-42.896 170.596,-42.896 ; 128.381,-55.113 128.381,-51.582 ; 133.105,-57.094 133.105,-55.113 ; 156.397,-57.094 156.397,-55.113 ; 156.397,102.748 156.397,106.71 ; 162.722,102.748 162.722,106.71 ; 166.659,-55.113 166.659,-51.582 ; 170.596,-37.358 76.184,-37.358 ; 170.596,102.748 121.65,102.748 121.65,106.71 ; 170.596,106.71 121.65,106.71
  lines w0.406: -47.844,-53.945 -47.844,-61.057 -40.732,-61.057 ; -47.844,105.517 -47.844,112.629 -40.732,112.629 ; 167.344,-61.361 174.456,-61.361 174.456,-54.249 ; 167.446,112.629 174.558,112.629 174.558,105.517
  lines w0.432: -43.78,-56.993 170.596,-56.993 170.596,108.666 -43.78,108.666 -43.78,-56.993
  text "6" at -20.844,109.073 h1.27
  text "5" at 12.684,109.073 h1.27
  text "4" at 45.069,109.073 h1.27
  text "3" at 79.587,109.073 h1.27
  text "2" at 113.725,109.073 h1.27
  text "1" at 145.5,109.073 h1.27
  text "REVISIONS" at 139.811,107.091 h0.76
  text "NOTES:" at -41.291,105.796 h1.02
  text "DESCRIPTION" at 132.724,105.517 h0.76
  text "DATE" at 157.184,105.517 h0.76
  text "APPROVAL" at 163.509,105.517 h0.76
  text "REV" at 122.259,105.313 h0.76
  text "'.TBApprovedBy'" at 163.306,103.358 h1.02
  text "'.TBRevision'" at 122.463,103.307 h0.76
  text "Initial Release" at 125.612,103.154 h0.76
  text "'.ModifiedDate'" at 156.778,103.154 h0.76
  text "1. ASSEMBLE IN ACCORDANCE WITH IPC-610 CLASS 2." at -40.745,102.672 h1.02
  text "D" at -46.473,81.234 h1.27
  text "D" at 171.205,81.234 h1.27
  text "C" at -46.651,39.985 h1.27
  text "C" at 171.002,39.985 h1.27
  text "B" at -46.651,1.91 h1.27
  text "B" at 171.002,1.91 h1.27
  text "ASSEMBLY TOP SIDE" at 4.005,-7.132 h3.17
  text "DATE" at 119.364,-38.705 h0.64
  text "A" at -46.854,-38.933 h1.27
  text "APPROVAL" at 104.225,-38.933 h0.64
  text "A" at 170.799,-38.933 h1.27
  text "SHM" at 127.898,-41.219 h1.6
  text "DRAWN" at 104.225,-41.321 h0.64
  text "'.ModifiedDate'" at 117.941,-42.337 h0.64
  text "'.TBDrawnBy'" at 104.225,-42.413 h0.64
  text "CHECKED" at 104.225,-44.064 h0.64
  text "'.Print_Date'" at 117.941,-45.232 h0.64
  text "'.TBApprovedBy'" at 104.225,-45.309 h0.64
  text "ASSEMBLY DRAWING,PCB," at 126.298,-45.563 h1.6
  text "RELEASED" at 104.225,-46.833 h0.64
  text "'.Print_Date'" at 117.941,-47.95 h0.64
  text ".TBDrawnBy" at 104.225,-48.026 h0.64
  text "'.TBTitle'" at 126.298,-48.179 h1.6
  text "XXXXXX" at 56.854,-52.548 h0.64
  text "REV" at 167.852,-52.548 h0.76
  text "SIZE" at 125.612,-52.751 h0.76
  text "DWG NO" at 128.762,-52.751 h0.76
  text "'.TBBoardNumber'-DWG" at 135.671,-53.945 h1.6
  text "A" at 126.4,-54.326 h0.76
  text "NEXT ASSY" at 57.083,-54.503 h0.64
  text "USED ON" at 68.462,-54.503 h0.64
  text "'.TBRevision'" at 167.268,-54.503 h1.6
  text "SCALE" at 125.612,-55.926 h0.76
  text "CUST:" at 133.308,-55.926 h0.76
  text "SHEET" at 157.184,-55.926 h0.76
  text "APPLICATION" at 62.392,-56.307 h0.64
  text "1:1" at 128.762,-56.307 h0.76
  text "1 OF 2" at 161.909,-56.307 h0.76
  text "1" at 147.786,-59.787 h1.27
  text "6" at -20.844,-59.863 h1.27
  text "5" at 12.684,-59.863 h1.27
  text "4" at 45.069,-59.863 h1.27
  text "3" at 79.587,-59.863 h1.27
  text "2" at 112.353,-59.863 h1.27
Bottom Assembly:
  lines w0.025: -46.955,-15.667 -43.78,-15.667 ; -46.955,25.786 -43.78,25.786 ; -46.955,67.239 -43.78,67.239 ; -3.293,-60.244 -3.293,-57.094 ; -3.293,108.463 -3.293,111.638 ; 30.642,-60.244 30.642,-57.094 ; 30.642,108.666 30.642,111.841 ; 63.789,-60.244 63.789,-57.094 ; 63.789,108.666 63.789,111.841 ; 97.748,-60.244 97.748,-57.094 ; 97.748,108.666 97.748,111.841 ; 130.895,-60.244 130.895,-57.094 ; 130.895,108.666 130.895,111.841 ; 170.723,-15.667 173.872,-15.667 ; 170.723,25.786 173.872,25.786 ; 170.723,67.239 173.872,67.239 ; -43.78,-56.993 -43.78,108.666 170.596,108.666 170.596,-56.993 -43.78,-56.993
  lines w0.152: -43.78,-55.113 1.609,-55.113 ; -43.78,-51.582 1.609,-51.582 ; -43.78,-42.896 1.609,-42.896 ; -43.78,-37.358 1.686,-37.358 1.686,-57.094 ; -39.843,-55.113 -39.843,-51.582 ; -29.582,-57.094 -29.582,-55.113 ; -6.29,-57.094 -6.29,-55.113 ; -1.566,-55.113 -1.566,-51.582 ; 68.691,-57.094 70.266,-57.094
  lines w0.406: -47.743,105.517 -47.743,112.629 -40.631,112.629 ; -47.641,-54.249 -47.641,-61.361 -40.529,-61.361 ; 167.548,-61.057 174.66,-61.057 174.66,-53.945 ; 167.548,112.629 174.66,112.629 174.66,105.517
  lines w0.432: -43.78,-56.993 -43.78,108.666 170.596,108.666 170.596,-56.993 -43.78,-56.993
  text "1" at -18.685,109.073 h1.27
  text "2" at 13.09,109.073 h1.27
  text "3" at 47.228,109.073 h1.27
  text "4" at 81.746,109.073 h1.27
  text "5" at 114.131,109.073 h1.27
  text "6" at 147.659,109.073 h1.27
  text "D" at -44.39,81.234 h1.27
  text "D" at 173.288,81.234 h1.27
  text "C" at -44.187,39.985 h1.27
  text "C" at 173.466,39.985 h1.27
  text "B" at -44.187,1.91 h1.27
  text "B" at 173.466,1.91 h1.27
  text "ASSEMBLY BOTTOM SIDE" at 37.406,-7.132 h3.17
  text "A" at -43.984,-38.933 h1.27
  text "A" at 173.669,-38.933 h1.27
  text "SHM" at -1.083,-41.219 h1.6
  text "ASSEMBLY DRAWING,PCB," at 0.517,-45.563 h1.6
  text "'.TBTitle'" at 0.517,-48.179 h1.6
  text "REV" at -41.037,-52.548 h0.76
  text "DWG NO" at -1.947,-52.751 h0.76
  text "SIZE" at 1.203,-52.751 h0.76
  text "'.TBBoardNumber'-DWG" at -8.855,-53.945 h1.6
  text "A" at 0.416,-54.326 h0.76
  text "'.TBRevision'" at -40.11,-54.656 h1.6
  text "SHEET" at -30.369,-55.926 h0.76
  text "CUST:" at -6.493,-55.926 h0.76
  text "SCALE" at 1.203,-55.926 h0.76
  text "2 OF 2" at -35.094,-56.307 h0.76
  text "1:1" at -1.947,-56.307 h0.76
  text "1" at -20.971,-59.787 h1.27
  text "2" at 14.462,-59.863 h1.27
  text "3" at 47.228,-59.863 h1.27
  text "4" at 81.746,-59.863 h1.27
  text "5" at 114.131,-59.863 h1.27
  text "6" at 147.659,-59.863 h1.27